# Altium PCB TrilliumV4.PcbDoc (part 2 of 3)
Units mm, origin at the board's own origin, x right, y up, seen from the top; angles counter-clockwise.
Board outline 100 x 100 mm, 4 copper layers (Top Layer, Ground Plane, Power Plane, Bottom Layer), stack 1.667 mm thick; 197 components, 151 nets, 1108 pads, 340 vias.
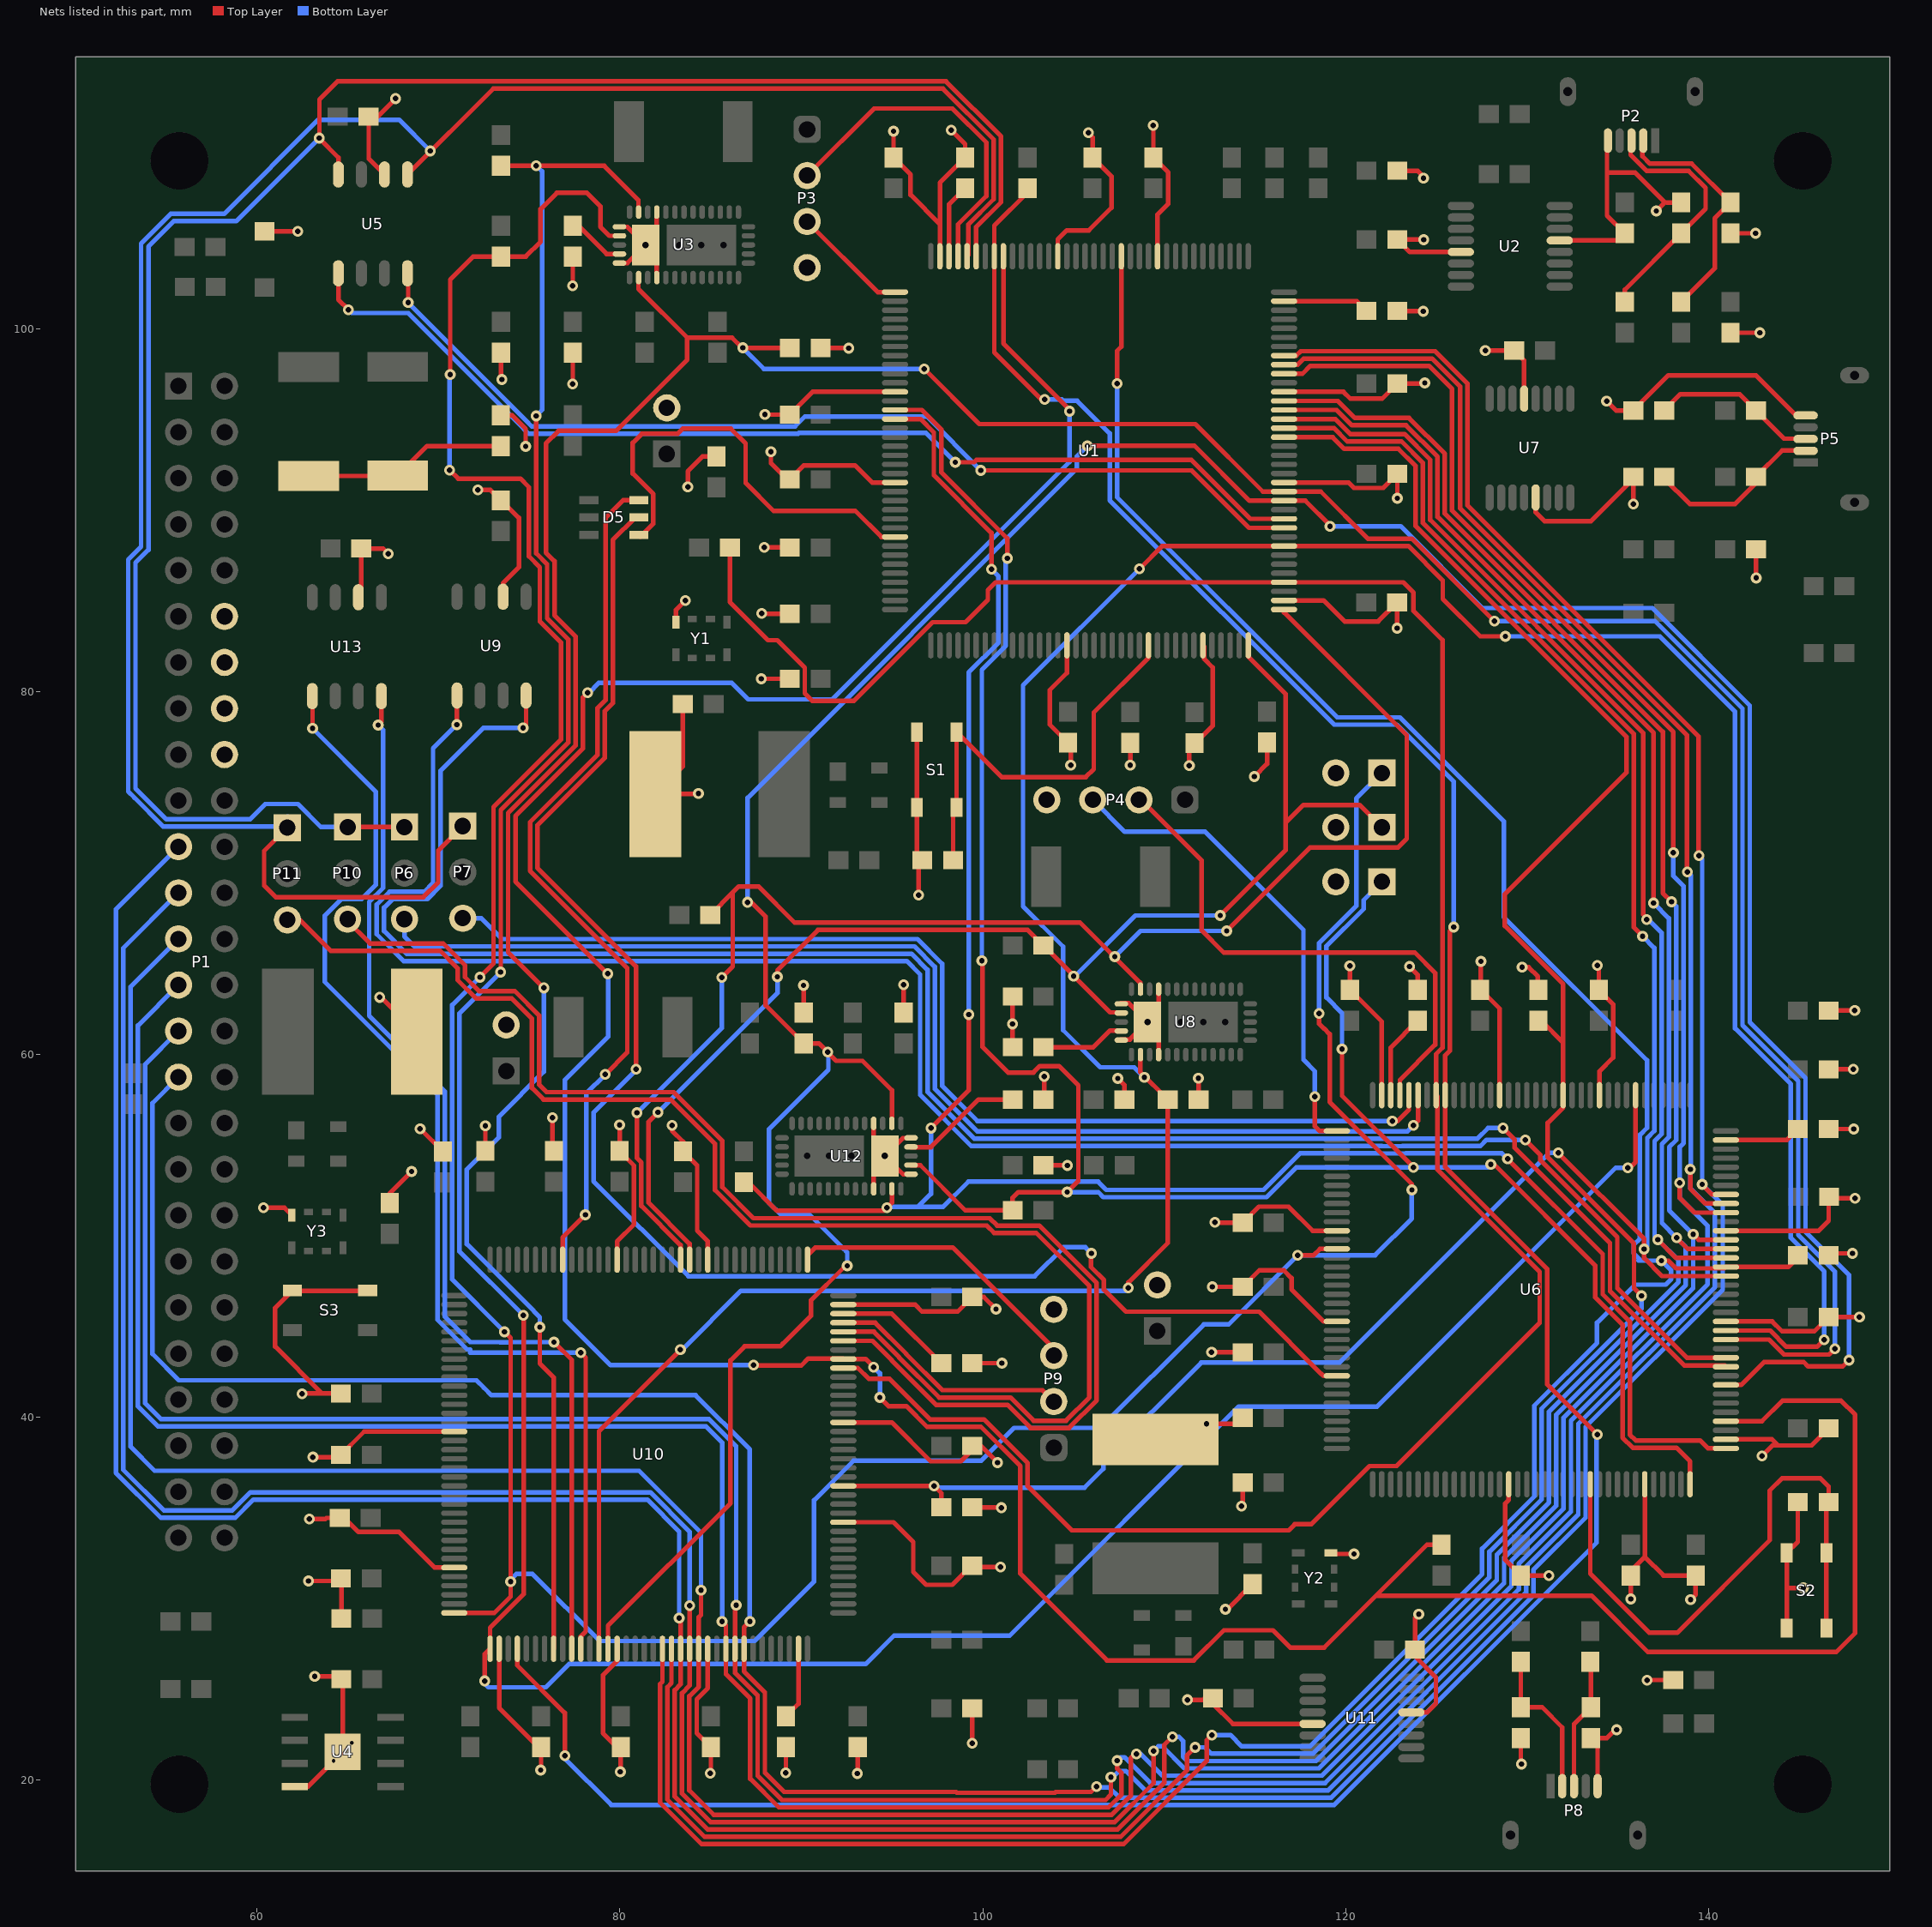
[diagram p4: the nets of this part, all layers, seen from the top]

## Via types
v1: diameter 0.6, hole 0.3, Top Layer to Bottom Layer, tented both sides, 338 vias
v2: diameter 0.5, hole 0.2, Top Layer to Bottom Layer, tented both sides, 2 vias

## Nets (pads, with @x,y where several pads share a name; then routed paths per layer and width w, separated by ;. In a path a pad name is that pad's centre, name@x,y a point inside that pad or via, vN(x,y) a via of type N, cw(c..) or ccw(c..) an arc to the next point about the centre after c; other vN are vias at no path point) (continued)
EXTRA_GPIO_1: P1.11 U1.58 U6.58 U10.58 | length 223.7
  Top Layer w0.254: v1(83.26,28.93) 83.34,28.85 U10.58@83.34,27.245 83.34,25.284 83.018,24.962 83.018,19.099 84.831,17.286 107.441,17.286 110.01,19.855 110.01,21.94 v1(110.46,22.39) ; U1.58@116.615,95.04 119.437,95.04 120.267,94.21 123.254,94.21 124.668,92.796 124.668,89.485 136.413,77.74 136.413,67.736 136.6,67.549 v1(136.6,67.44) ; v1(137.22,49.8) 138.23,48.79 U6.58@140.975,48.79
  Bottom Layer w0.254: P1.11@55.66,71.46 52.209,68.009 52.209,36.941 54.681,34.469 58.793,34.469 59.79,35.466 81.504,35.466 83.26,33.71 v1(83.26,28.93) ; v1(110.46,22.39) 110.82,22.39 111.05,22.16 111.05,21.291 111.285,21.056 118.374,21.056 128.342,31.024 128.342,32.429 131.22,35.307 131.22,40.317 138.362,47.459 138.362,48.658 v1(137.22,49.8) 137.16,49.8 137.045,49.915 137.045,55.239 137.43,55.624 137.43,66.719 136.709,67.44 v1(136.6,67.44)
EXTRA_GPIO_2: P1.12 U1.59 U6.59 U10.59 | length 219.2
  Top Layer w0.254: U10.59@83.84,27.245 83.84,25.213 83.422,24.795 83.422,19.267 84.999,17.69 107.274,17.69 109.42,19.836 v1(109.42,21.61) ; U10.59@83.84,27.439 v1(83.84,29.63) ; U1.59@116.615,95.54 119.509,95.54 120.353,94.696 123.34,94.696 125.072,92.964 125.072,89.653 136.99,77.735 v1(136.99,68.36) ; v1(138.26,49.9) 138.87,49.29 U6.59@140.975,49.29
  Bottom Layer w0.254: P1.12@55.66,68.92 52.613,65.873 52.613,37.108 54.848,34.873 58.625,34.873 59.622,35.87 81.671,35.87 83.84,33.702 v1(83.84,29.63) ; v1(109.42,21.61) 109.68,21.87 109.9,21.87 111.118,20.652 118.541,20.652 128.746,30.857 128.746,32.262 131.624,35.139 131.624,40.149 138.766,47.291 138.766,49.394 v1(138.26,49.9) 137.449,50.711 137.449,55.071 137.834,55.457 137.834,67.516 v1(136.99,68.36)
EXTRA_GPIO_3: P1.13 U1.60 U6.60 U10.60 | length 215
  Top Layer w0.254: v1(84.47,30.48) 84.47,29.11 84.34,28.98 U10.60@84.34,27.245 84.34,25.141 83.826,24.627 83.826,19.434 85.166,18.094 107.107,18.094 108.16,19.147 108.16,21.21 108.48,21.53 v1(108.48,21.44) ; U1.60@116.615,96.04 119.58,96.04 120.52,95.1 123.507,95.1 125.476,93.131 125.476,89.82 137.503,77.793 137.503,68.907 v1(137.98,68.43) ; v1(139.17,50.09) 139.47,49.79 U6.60@140.975,49.79
  Bottom Layer w0.254: P1.13@55.66,66.38 53.017,63.737 53.017,38.383 54.34,37.06 81.053,37.06 84.47,33.643 v1(84.47,30.48) ; v1(108.48,21.44) 108.72,21.44 109.912,20.248 118.709,20.248 129.15,30.69 129.15,32.094 132.028,34.972 132.028,39.982 139.17,47.124 v1(139.17,50.09) 137.853,51.407 137.853,54.904 138.238,55.289 138.238,68.172 v1(137.98,68.43)
EXTRA_GPIO_4: P1.14 U1.63 U6.63 U10.63 | length 217.2
  Top Layer w0.254: v1(85.63,28.75) 85.84,28.54 U10.63@85.84,27.245 85.84,25.849 87.182,24.507 87.182,20.075 88.759,18.498 106.939,18.498 107.65,19.208 107.647,19.211 107.647,20.409 107.41,20.646 v1(107.41,21.08) ; U1.63@116.615,97.54 117.63,97.54 118.062,97.972 124.61,97.972 125.88,96.702 125.88,89.987 138.08,77.787 v1(138.08,71.13) ; v1(138.43,52.93) 138.43,52.1 139.24,51.29 U6.63@140.975,51.29
  Bottom Layer w0.254: P1.14@55.66,63.84 53.421,61.601 53.421,40.609 54.53,39.5 84.747,39.5 85.63,38.617 v1(85.63,28.75) ; v1(107.41,21.08) 107.59,21.26 107.82,21.26 109.236,19.844 118.876,19.844 129.554,30.522 129.554,31.927 132.432,34.805 132.432,39.815 139.965,47.348 139.965,50.565 138.43,52.1 v1(138.43,52.93) 138.43,54.91 138.642,55.122 138.642,69.288 138.08,69.85 v1(138.08,71.13)
EXTRA_GPIO_5: P1.15 U1.64 U6.64 U10.64 | length 213.1
  Top Layer w0.254: v1(86.41,29.65) 86.34,29.58 U10.64@86.34,27.245 86.34,25.92 87.586,24.674 87.586,20.243 88.927,18.902 106.772,18.902 107.07,19.2 v1(107.07,20.17) ; U1.64@116.615,98.04 117.365,98.04 117.701,98.376 124.777,98.376 126.326,96.827 126.326,90.113 138.82,77.619 v1@138.82,70.11 ; v1(139.01,53.68) 139.01,52.62 139.84,51.79 U6.64@140.975,51.79
  Bottom Layer w0.254: P1.15@55.66,61.3 53.825,59.465 53.825,40.776 54.697,39.904 84.915,39.904 86.41,38.409 v1(86.41,29.65) ; v1(107.07,20.17) 107.19,20.17 107.523,20.503 107.889,20.503 108.952,19.44 119.043,19.44 129.958,30.355 129.958,31.76 132.836,34.637 132.836,39.647 140.369,47.181 140.369,51.271 139.01,52.63 v1(139.01,53.68) 139.046,53.716 139.046,69.884 v1(138.856,70.074)
EXTRA_GPIO_6: P1.16 U1.65 U6.65 U10.65 | length 206.7
  Top Layer w0.254: v1(87.16,28.75) 86.84,28.43 U10.65@86.84,27.245 86.84,25.991 87.99,24.841 87.99,20.41 89.05,19.35 98.529,19.35 98.573,19.306 103.977,19.306 104.021,19.35 105.97,19.35 v1(106.27,19.65) ; U1.65@116.615,98.54 117.294,98.54 117.534,98.78 124.944,98.78 126.73,96.994 126.73,90.28 139.46,77.55 v1@139.46,71 ; v1(139.67,52.85) 139.67,52.83 140.21,52.29 U6.65@140.975,52.29
  Bottom Layer w0.254: P1.16@55.66,58.76 54.229,57.329 54.229,43.499 55.682,42.046 72.089,42.046 72.503,41.632 ; 72.503,41.631 72.912,41.222 84.168,41.222 87.16,38.23 v1(87.16,28.75) ; v1(106.27,19.65) 106.327,19.593 106.977,19.593 107.534,19.036 119.211,19.036 130.362,30.188 130.362,31.592 133.24,34.47 133.24,39.48 140.8,47.04 140.8,51.72 v1(139.67,52.85) 139.67,70.79 v1(139.496,70.964)
GND: C1.2 C2.1 C3.1 C4.1 C5.1 C6.1 C7.1 C8.1 C9.1 C10.2 C11.1 C12.1 C13.1 C14.1 C15.1 C16.1 C17.1 C18.1 C19.1 C20.1 C21.2 C22.2 C23.1 C24.1 C25.1 C26.1 C27.2 C28.1 C29.1 C30.1 C31.1 C32.2 C33.1 C34.1 C35.2 C36.1 C37.1 C38.1 C39.1 C40.1 C41.1 C42.1 C43.1 C44.1 C45.1 C46.2 C47.1 C48.1 C49.1 C50.1 C51.2 C52.1 C53.1 C54.1 C55.1 C56.1 C57.1 C58.1 C59.2 C60.1 C61.1 C62.1 C63.1 C64.1 C65.1 C66.1 C67.1 C68.1 C69.1 C70.2 C71.1 C72.1 C73.1 C74.1 D4.2 P1.44 P1.45 P1.46 P1.47 P2.5 P3.4 P4.4 P5.5 P8.5 P9.4 P12.2 P13.2 P14.2 P15.2 P16.2 P17.2 R1.1 R2.1 R9.1 R10.1 R13.1 R17.1 R19.2 R20.2 R22.1 R24.1 R37.1 R39.1 R40.2 R41.2 R43.1 R45.1 R52.1 R55.1 R57.1 R58.2 R59.1 R60.2 S1.2 S2.2 S3.2 SC1.2 SC2.2 SC3.2 U1.16 U1.31 U1.38 U1.51 U1.61 U1.83 U1.94 U1.107 U1.120 U1.130 U2.5 U2.13 U3.4 U3.28 U3.32 U3.36 U4.4 U5.2 U6.16 U6.31 U6.38 U6.51 U6.61 U6.83 U6.94 U6.107 U6.120 U6.130 U7.5 U7.13 U8.4 U8.28 U8.32 U8.36 U9.2 U10.16 U10.31 U10.38 U10.51 U10.61 U10.83 U10.94 U10.107 U10.120 U10.130 U11.5 U11.13 U12.4 U12.28 U12.32 U12.36 U13.2 Y1.4 Y2.4 Y3.4 | length 503.7
  Top Layer w0.254: v1(60.34,51.56) 61.5,51.56 Y3.4@61.91,51.15 ; D4.2@60.4,105.39 v1(62.24,105.39) v1@62.25,105.4 ; U4.4@62.065,19.655 62.805,19.655 U4.4@64.71,21.56 64.71,25.5 C8.1@64.64,25.57 64.49,25.72 v1(63.17,25.72) ; v1(62.47,41.3) 62.49,41.32 63.58,41.32 ; v1(62.83,30.98) 64.46,30.98 C51.2@64.61,31.13 64.64,31.1 R1.1@64.64,28.91 ; v1(62.88,34.4) 63.76,34.4 63.82,34.46 64.808,34.46 65.585,33.683 67.817,33.683 69.78,31.72 U10.31@70.865,31.72 ; 63.42,37.81 64.49,37.81 65.9,39.22 U10.16@70.865,39.22 ; C59.2@64.61,41.32 63.58,41.32 ; U13.2@65.575,85.215 65.74,85.38 C70.2@65.74,87.9 66.94,87.9 v1(67.23,87.61) ; S3.2@66.07,46.97 61.92,46.97 60.99,46.04 60.99,43.91 63.58,41.32 ; v1(66.75,63.16) 66.84,63.16 SC3.2@68.9,61.1 ; U5.2@67.015,108.525 66.149,109.391 66.149,111.701 C21.2@66.13,111.72 66.64,111.72 v1(67.63,112.71) ; C57.1@67.31,51.82 67.31,52.36 v1(68.51,53.56) ; v1(68.98,55.91) C71.1@70.23,54.66 ; v1(72.16,91.13) 72.86,91.13 C46.2@73.43,90.56 73.46,90.56 74.43,89.59 74.43,86.87 73.555,85.995 U9.2@73.555,85.245 ; C72.1@72.32,54.69 72.58,54.95 v1(72.58,56.082) ; v1@72.468,56.082 v1(72.58,56.082) ; v1@72.482,56.18 v1(72.58,56.082) ; U10.38@73.34,27.245 73.34,23.99 75.51,21.82 C67.1@75.65,21.82 75.65,20.58 v1(75.63,20.56) ; C22.2@73.44,95.26 C22.2@73.43,95.25 74.05,95.25 74.8,94.5 v1(74.8,93.53) ; v1@73.44,97.22 R17.1@73.44,98.7 ; v1(76.28,56.53) 76.28,54.77 R57.1@76.36,54.69 ; v1@77.38,96.98 77.4,97 R22.1@77.4,98.7 ; v1(77.39,102.38) 77.4,102.39 C9.1@77.4,104 ; U10.51@79.84,27.245 79.84,26.566 79.062,25.788 79.062,22.588 C66.1@79.935,21.715 ; U10.130@79.84,48.695 79.84,49.7 80.77,50.63 80.77,53.89 C73.1@79.97,54.69 79.98,54.7 v1(79.98,56.12) ; U3.36@79.96,103.64 80.412,103.64 U3.36@81.412,104.64 ; U3.32@79.96,105.64 80.412,105.64 U3.36@81.412,104.64 ; v1(80.02,20.46) 80.04,20.48 C66.1@80.04,21.82 ; U3.28@82.02,106.45 82.02,105.248 U3.36@81.412,104.64 ; U3.4@82.03,102.84 82.03,104.022 U3.36@81.412,104.64 ; v1(82.87,56.1) 82.87,55.81 83.48,55.2 C74.1@83.48,54.67 84.257,53.893 84.257,50.294 84.84,49.711 U10.120@84.84,48.695 ; Y1.4@83.08,83.84 83.08,84.51 v1(83.6,85.03) ; C7.1@83.46,79.32 83.46,75.88 SC1.2@81.95,74.37 84.35,74.37 v1@84.42,74.44 ; v1(83.74,91.3) 83.74,92.16 84.56,92.98 R37.1@85.32,92.98 ; U10.61@84.84,27.245 84.84,25.07 84.23,24.46 84.23,22.6 C65.1@85.01,21.82 85.01,20.41 v1(84.98,20.38) ; v1(87.79,80.72) C23.1@89.36,80.72 ; v1(87.82,84.32) 87.84,84.3 C24.1@89.36,84.3 ; v1(87.95,87.96) R20.2@89.36,87.96 ; v1(87.99,95.29) 88,95.28 C26.1@89.36,95.28 90.62,96.54 U1.120@95.165,96.54 ; v1(88.32,93.24) 88.32,92.606 89.08,91.846 89.08,91.71 C25.1@89.36,91.71 90.137,92.487 92.954,92.487 93.901,91.54 U1.130@95.165,91.54 ; v1(89.14,20.4) 89.15,20.41 C52.1@89.15,21.82 ; v1(90.12,63.82) 90.13,63.81 R59.1@90.13,62.32 ; R24.1@91.06,98.96 92.36,98.96 v1@92.37,98.97 ; U10.83@92.315,34.22 95.08,34.22 96.17,33.13 96.17,31.481 96.881,30.77 98.32,30.77 99.42,31.87 99.54,31.75 v1(100.98,31.75) ; U10.94@92.315,39.72 94.988,39.72 97.128,37.58 98.79,37.58 99.64,38.43 99.9,38.43 v1(100.82,37.51) ; U10.107@92.315,46.22 96.27,46.22 96.65,45.84 98.62,45.84 C61.1@99.42,46.64 100.06,46.64 v1(100.73,45.97) ; v1(93.09,20.37) 93.11,20.39 C64.1@93.11,21.82 ; U12.28@93.987,52.6 93.987,53.792 U12.36@94.605,54.41 ; U12.4@93.987,56.21 93.987,55.028 U12.36@94.605,54.41 ; U12.4@93.992,55.871 U12.4@93.992,56.2 ; v1(95.08,110.91) C12.1@95.08,109.46 96.02,108.52 96.02,107.4 97.64,105.78 ; R55.1@95.64,62.32 v1(95.64,63.85) ; U12.32@96.052,53.4 95.615,53.4 U12.36@94.605,54.41 ; U12.36@96.052,55.4 95.595,55.4 U12.36@94.605,54.41 ; S1.2@96.37,77.78 S1.2@96.37,73.63 96.37,71.02 C10.2@96.67,70.72 96.46,70.93 v1(96.46,68.8) ; U1.107@97.64,104.015 97.64,105.78 ; v1(98.26,110.97) 99.03,110.2 C3.1@99.03,109.46 97.64,108.07 97.64,105.78 ; v1(99.42,22.03) R58.2@99.42,23.96 ; R10.1@99.42,35.04 101.01,35.04 v1(101.03,35.02) ; C55.1@99.42,42.99 v1(101.06,42.99) ; C34.1@101.65,60.41 v1(101.65,61.69) R39.1@101.65,63.2 ; R52.1@103.35,53.9 104.66,53.9 v1(104.67,53.89) ; C58.1@103.35,57.52 103.39,57.56 v1(103.39,58.79) v1@103.56,58.79 ; U1.94@104.14,104.015 104.14,104.944 104.636,105.44 105.85,105.44 107.1,106.69 107.1,108.42 C13.1@106.06,109.46 106.06,110.58 v1(105.82,110.82) ; U1.16@104.64,82.565 104.64,81.04 103.7,80.1 103.7,78.2 104.85,77.05 v1(104.85,75.95) ; v1(107.45,58.69) 107.81,58.33 R43.1@107.81,57.52 ; U8.36@107.62,60.83 108.112,60.83 U8.36@109.082,61.8 ; U8.32@107.62,62.83 108.052,62.83 U8.36@109.082,61.8 ; v1(108.13,75.95) 108.14,75.96 R2.1@108.14,77.19 ; v1(109.4,111.23) 109.41,111.22 C14.1@109.41,109.46 110.23,108.64 110.23,106.91 109.64,106.32 U1.83@109.64,104.015 ; SC2.2@109.68,38.85 111.55,38.85 v1(112.34,39.64) 114,39.64 C48.1@114.34,39.98 ; U8.28@109.68,63.311 U8.28@109.68,63.64 ; U8.4@109.7,60 109.7,61.182 U8.36@109.082,61.8 ; U8.28@109.7,63.61 109.7,62.418 U8.36@109.082,61.8 ; v1(111.29,24.43) 112.78,24.43 112.46,24.75 112.25,24.54 112.69,24.54 112.69,24.207 113.794,23.102 U11.5@118.185,23.102 ; v1(111.39,75.93) 111.39,77.2 111.75,77.2 112.68,78.13 112.68,81.346 112.213,81.813 112.213,82.492 U1.31@112.14,82.565 ; v1(111.89,58.7) 111.9,58.69 R45.1@111.9,57.52 ; v1(112.62,43.6) R41.2@114.34,43.6 ; v1(112.66,47.2) C49.1@114.34,47.2 115.25,48.11 116.6,48.11 117.03,47.68 117.03,47.06 118.8,45.29 U6.130@119.525,45.29 ; v1(112.8,50.76) 112.83,50.73 C50.1@114.34,50.73 115.23,51.62 116.86,51.62 118.19,50.29 U6.120@119.525,50.29 ; v1(113.38,29.42) 113.49,29.42 C33.1@114.88,30.81 ; v1(114.26,35.11) 114.23,35.11 114.34,35.22 C47.1@114.34,36.41 ; v1(114.98,75.33) 115.68,76.03 C1.2@115.68,77.21 ; U1.38@116.615,85.04 118.79,85.04 119.95,83.88 121.8,83.88 C18.1@122.85,84.93 v1(122.85,83.51) v1@122.82,83.48 ; U1.51@116.615,91.54 120.17,91.54 120.467,91.243 122.083,91.243 C17.1@122.86,92.02 v1(122.86,90.67) v1@122.84,90.65 ; U1.61@116.615,96.54 119.89,96.54 120.26,96.17 122.03,96.17 C16.1@122.86,97 124.34,97 v1(124.37,97.03) ; Y2.4@119.2,32.54 119.27,32.47 v1(120.47,32.47) v1@120.47,32.59 ; v1@120.28,64.85 v1(120.24,64.89) 120.24,63.58 C37.1@120.25,63.57 122,61.82 U6.107@122,57.765 ; C2.1@122.86,101 124.27,101 v1(124.29,100.98) ; R19.2@122.86,108.73 123.98,108.73 124.3,108.41 v1(124.3,108.32) ; v1(123.53,64.86) 123.98,64.41 C31.1@123.98,63.57 ; U11.13@123.635,23.737 123.642,23.73 124.5,23.73 124.99,24.22 124.99,25.67 123.84,26.82 123.84,28.95 v1(124.04,29.15) ; v1(124.31,104.93) 124.3,104.94 C15.1@122.86,104.94 123.548,104.252 U2.5@126.365,104.252 ; v1(127.47,65.14) 127.46,65.13 127.46,63.57 128.5,62.53 U6.94@128.5,57.765 ; v1(127.71,98.82) C32.2@129.3,98.82 129.852,98.267 U7.13@129.852,96.165 ; U6.16@129,36.315 129,35.45 128.81,35.26 128.81,32.14 C45.1@129.67,31.28 v1(131.21,31.28) v1@131.23,31.26 ; v1@129.66,20.92 129.67,20.93 C54.1@129.67,22.32 ; v1(129.74,64.82) 130.1,64.82 130.61,64.31 R9.1@130.61,63.57 ; U7.5@130.487,90.715 130.487,89.902 130.986,89.404 133.53,89.404 C30.1@135.87,91.744 ; U2.13@131.815,104.887 135.007,104.887 C11.1@135.4,105.28 134.42,106.26 P2.5@134.42,110.85 ; v1(133.89,64.91) 133.97,64.83 C39.1@133.97,63.57 134.76,62.78 134.76,59.834 134,59.074 U6.83@134,57.765 ; P8.5@133.9,19.67 133.9,21.95 C53.1@133.53,22.32 134.41,22.32 v1@134.9,22.81 ; v1(134.4,96.03) 134.92,95.51 C29.1@135.87,95.51 137.81,97.45 142.63,97.45 144.82,95.26 P5.5@145.85,95.26 ; 134.42,108.63 135.96,108.63 137.61,106.98 v1(137.14,106.51) ; v1@135.75,29.97 v1(135.73,29.99) C44.1@135.73,31.28 135.73,31.531 136.507,32.308 ; v1(135.87,90.35) C30.1@135.87,91.744 ; C30.1@135.87,91.86 C30.1@135.87,91.744 ; U6.31@136.5,36.315 136.507,36.308 136.507,32.308 ; v1(136.63,25.51) 136.64,25.52 R60.2@138.07,25.52 ; 137.75,106.98 C4.1@138.51,106.98 ; v1(139.03,29.95) 139.31,30.23 C27.2@139.31,31.28 137.535,31.28 136.507,32.308 ; U6.38@140.975,38.79 143.52,38.79 143.86,38.45 ; U6.51@140.975,45.29 143.53,45.29 144.067,44.753 145.863,44.753 C42.1@146.64,45.53 v1(148.34,45.53) v1@148.35,45.54 ; U6.61@140.975,50.29 146.09,50.29 146.64,50.84 146.64,52.08 v1(148.1,52.08) v1@148.11,52.07 ; C6.1@141.23,99.8 v1(142.85,99.8) ; C5.1@141.23,105.28 v1(142.61,105.28) ; C36.1@142.63,87.86 142.63,86.3 v1(142.65,86.28) ; v1(142.97,37.88) 143.54,38.45 143.86,38.45 ; S2.2@144.33,28.38 144.33,30.6 ; C35.2@144.94,35.33 144.94,33.14 S2.2@144.33,32.53 144.33,30.6 ; v1(145.25,30.6) 144.33,30.6 ; C43.1@146.64,39.39 145.7,38.45 143.86,38.45 ; R13.1@146.64,48.94 146.74,49.04 v1(147.96,49.04) ; C28.1@146.64,55.9 v1(148.02,55.9) ; C40.1@146.64,59.19 v1(148,59.19) v1@148.01,59.18 ; R40.2@146.64,62.43 v1(148.08,62.43) 148.09,62.42 v1@148.1,62.42
  other v1: 129.71,20.89 134.95,22.78 63.07,37.81 84.33,74.39 77.39,96.97 73.49,97.22 92.61,98.95
  other v2: 64.21,21.06 65.21,22.06
MCU1_CAN1_RX: P6.1 P10.1 U1.103 U5.4 | length 109.5
  Top Layer w0.254: U5.4@64.475,108.525 64.475,109.455 63.43,110.5 63.43,112.66 64.428,113.658 97.973,113.658 101.008,110.623 101.008,106.995 99.64,105.627 U1.103@99.64,104.015 ; P10.1@64.98,72.55 P6.1@68.12,72.55
  Bottom Layer w0.254: v1(63.42,110.53) 58.84,105.95 55.4,105.95 54,104.55 54,87.833 53.288,87.121 53.288,74.673 54.988,72.973 59.603,72.973 60.446,73.816 62.246,73.816 63.512,72.55 P10.1@64.98,72.55
MCU1_CAN1_SHDN: U1.47 U5.5 | length 59.3
  Top Layer w0.254: U5.5@64.475,103.075 64.475,101.625 v1(65.03,101.07) ; U1.47@116.615,89.54 114.76,89.54 111.513,92.787 99.651,92.787 99.524,92.66 v1(98.49,92.66) ; v1(98.49,92.66) 98.32,92.66 98.49,92.49 v1(98.49,92.66)
  Bottom Layer w0.254: v1(65.03,101.07) 65.217,100.883 68.326,100.883 74.399,94.81 74.399,94.804 74.974,94.229 89.82,94.229 89.861,94.27 96.88,94.27 v1(98.49,92.66)
MCU1_CAN1_STB: U1.46 U5.8 | length 55.5
  Top Layer w0.254: U5.8@68.285,103.075 68.32,103.04 v1(68.32,101.46) ; v1(99.89,92.21) 111.519,92.21 114.689,89.04 U1.46@116.615,89.04
  Bottom Layer w0.254: v1(68.32,101.46) 74.803,94.977 74.803,94.971 75.141,94.633 89.653,94.633 90.2,95.18 96.92,95.18 v1(99.89,92.21)
MCU1_CAN1_TX: P7.1 P11.1 U1.104 U5.1 | length 120.3
  Top Layer w0.254: P11.1@61.66,72.51 60.38,71.23 60.38,69.32 61.02,68.68 69.16,68.68 69.98,69.5 69.98,71.25 P7.1@71.33,72.6 ; U5.1@68.285,108.525 73.014,113.254 97.806,113.254 100.604,110.456 100.604,107.163 99.2,105.759 99.2,104.075 U1.104@99.14,104.015
  Bottom Layer w0.254: P11.1@61.66,73.13 P11.1@61.66,72.51 61.601,72.569 54.821,72.569 54.81,72.58 53.23,74.16 52.884,74.506 52.884,87.288 53.596,88 53.596,104.717 55.233,106.354 58.174,106.354 63.36,111.54 67.82,111.54 v1(69.54,109.82) v1@69.57,109.82
MCU1_CAN2_TX: D5.1 U1.136 | length 24.6
  Top Layer w0.254: D5.1@81.035,88.66 81.131,88.564 81.837,89.27 81.837,90.9 80.7,92.037 80.7,93.73 81.199,94.229 83.173,94.229 83.45,94.506 86.111,94.506 86.925,93.692 86.925,91.514 88.463,89.976 92.979,89.976 94.415,88.54 U1.136@95.165,88.54
MCU1_IMON: R24.2 U1.50 U3.2 U6.49 U10.44 | length 201.7
  Top Layer w0.254: v1(75.58,44.98) 75.58,42.97 76.34,42.21 U10.44@76.34,27.245 ; v1(75.8,63.68) 73.832,65.648 73.832,73.315 77.55,77.033 77.55,83.057 76.388,84.219 76.388,87.205 75.921,87.672 75.921,93.701 76.61,94.39 79.78,94.39 83.703,98.313 83.703,99.527 ; U3.2@81.02,102.84 81.02,102.21 83.703,99.527 ; R24.2@89.36,98.96 86.78,98.96 v1(86.77,98.97) 86.732,98.97 86.175,99.527 83.703,99.527 ; v1@96.75,97.8 v1(96.78,97.8) 99.817,94.763 111.727,94.763 115.45,91.04 U1.50@116.615,91.04 118.64,91.04 121.236,88.444 123.666,88.444 v1(128.21,83.9) ; U6.49@140.975,44.29 143.349,44.29 144.178,43.461 146.661,43.461 v1(146.99,43.79)
  Bottom Layer w0.254: v1(75.58,44.98) 75.58,45.52 75.247,45.853 75.247,45.869 71.558,49.558 71.558,53.678 73.326,55.446 73.326,56.582 75.8,59.056 v1(75.8,63.68) ; v1(86.77,98.97) 87.94,97.8 v1(96.78,97.8) ; v1(128.21,83.9) 137.065,83.9 141.889,79.077 141.889,61.617 144.962,58.543 144.962,50.062 146.99,48.034 v1(146.99,43.79)
MCU1_PWR_EN: P13.1 R15.1 U3.33 U6.122 U10.36 | length 192.8
  Top Layer w0.254: v1(70.61,92.22) 71.08,91.75 74.51,91.75 74.976,91.284 74.976,87.474 75.58,86.87 75.58,83.884 76.742,82.722 76.742,77.368 73.024,73.65 73.024,65.014 v1(72.28,64.27) ; v1(70.64,97.49) 70.64,102.73 71.91,104 R15.1@73.44,104 74.81,104 75.62,104.81 75.62,106.61 76.52,107.51 78.18,107.51 78.92,106.77 78.92,105.64 79.42,105.14 U3.33@79.96,105.14 ; U10.36@70.865,29.22 73.07,29.22 73.97,30.12 v1(73.97,30.94) 73.97,44.38 v1(73.63,44.72) ; v1(117.37,48.94) 118.246,48.94 118.596,49.29 U6.122@119.525,49.29 ; v1(118.55,62.27) 118.55,61.7 118.81,61.44 118.81,61.45 119.13,61.13 119.13,57.39 123.66,52.86 v1(123.66,52.54)
  Bottom Layer w0.254: v1(70.61,92.22) 70.61,97.46 v1(70.64,97.49) ; v1(72.28,64.27) 70.75,62.74 70.75,47.6 v1(73.63,44.72) ; v1(73.97,30.94) 73.97,31.05 74.29,31.37 75.18,31.37 78.88,27.67 87.417,27.67 90.702,30.955 90.702,35.435 92.872,37.605 99.915,37.605 101.73,39.42 106.481,39.42 112.189,45.128 113.558,45.128 v1(117.37,48.94) 121.64,48.94 123.66,50.96 v1(123.66,52.54) v1@123.66,52.7 ; v1(118.55,62.27) 118.55,66.15 120.6,68.2 120.6,74.12 P13.1@122.01,75.53
MCU1_PWR_FLT: R12.1 U3.30 U6.79 U10.37 | length 177.9
  Top Layer w0.254: v1(72.54,25.47) 72.54,26.945 U10.37@72.84,27.245 72.84,28.4 74.69,30.25 74.69,45.61 v1(74.67,45.63) ; v1@73.428,64.383 73.428,73.483 77.146,77.201 77.146,82.889 75.984,84.051 75.984,87.037 75.38,87.641 v1(75.38,95.21) ; R12.1@73.44,109 v1(75.38,109) 79.13,109 81.02,107.11 U3.30@81.02,106.45 ; v1(135.57,53.76) 135.68,53.87 135.79,53.87 136,54.08 U6.79@136,57.765
  Bottom Layer w0.254: v1(72.54,25.47) 72.54,25.33 72.75,25.12 75.91,25.12 77.19,26.4 93.544,26.4 95.111,27.967 101.483,27.967 114.115,40.599 121.74,40.599 134.901,53.76 v1(135.57,53.76) ; v1(73.42,64.55) 71.154,62.284 71.154,49.146 v1(74.67,45.63) ; v1(75.38,95.21) 75.71,95.54 75.71,108.69 v1@75.39,109.01
MCU1_RESET_SYNC: R9.2 U1.56 U6.87 U10.57 | length 147.3
  Top Layer w0.254: U10.57@82.84,27.245 82.84,25.355 82.614,25.129 82.614,18.932 84.664,16.882 107.609,16.882 111.26,20.533 111.26,21.36 v1(111.71,21.81) ; U1.56@116.615,94.04 119.295,94.04 119.933,93.402 122.92,93.402 123.86,92.462 123.86,89.151 135.498,77.513 135.498,75.558 128.79,68.85 128.79,67.1 132,63.89 132,60.66 ; R9.2@130.61,61.87 R9.2@130.64,61.87 130.79,61.87 132,60.66 ; v1(136.33,46.7) 135.91,47.12 135.91,49.024 135.893,49.041 135.893,49.519 135.91,49.536 135.91,49.584 131.153,54.341 131.153,56.239 132,57.086 U6.87@132,57.765 132,60.66
  Bottom Layer w0.254: v1(111.71,21.81) 112.25,21.81 112.6,21.46 118.207,21.46 127.938,31.192 127.938,32.596 130.816,35.474 130.816,40.484 136.33,45.998 v1(136.33,46.7)
MCU1_SPI1_NSS: R30.1 U1.40 U6.101 U10.100 | length 138.1
  Top Layer w0.254: R30.1@86.06,87.96 86.06,84.95 88.16,82.85 88.672,82.85 90.187,81.335 90.187,79.923 90.6,79.51 92.906,79.51 97.236,83.84 99.047,83.84 100.281,85.074 100.281,85.611 100.71,86.04 U1.40@116.615,86.04 123.182,86.04 123.75,85.472 123.75,84.459 125.354,82.855 125.354,60.383 125,60.029 U6.101@125,57.765 125.073,57.692 125.073,53.658 130.71,48.021 130.71,45.21 122.817,37.317 121.323,37.317 118.114,34.108 117.207,34.108 116.869,33.77 104.91,33.77 102.474,36.206 102.474,37.477 100.067,39.884 97.099,39.884 94.853,42.13 93.71,42.13 93.12,42.72 U10.100@92.315,42.72
MCU1_SWCLK: P3.3 U1.109 | length 6.5
  Top Layer w0.254: P3.3@90.32,105.93 94.21,102.04 U1.109@95.165,102.04
MCU1_SWDIO: P3.2 U1.105 | length 19.1
  Top Layer w0.254: P3.2@90.32,108.47 94.01,112.16 98.329,112.16 100.2,110.289 100.2,107.33 98.64,105.77 U1.105@98.64,104.015
MCU2_CAN1_RX: P6.3 U6.103 | length 66.9
  Top Layer w0.254: v1(123.75,56.1) 124,56.35 U6.103@124,57.765
  Bottom Layer w0.254: P6.3@68.12,67.47 68.12,66.51 68.662,65.968 96.233,65.968 97.358,64.843 97.358,58.115 99.7,55.773 122.331,55.773 122.341,55.763 122.819,55.763 122.829,55.773 123.423,55.773 v1(123.75,56.1)
MCU2_CAN1_SHDN: U6.47 U9.5 | length 106.2
  Top Layer w0.254: v1(71,78.19) 71,79.78 U9.5@71.015,79.795 ; v1(129.91,55.3) 130.749,54.461 130.749,54.174 134.99,49.933 134.99,47.12 138.82,43.29 U6.47@140.975,43.29
  Bottom Layer w0.254: v1(71,78.19) 69.696,76.886 69.696,69.467 69.212,68.983 67.695,68.983 67.688,68.99 67.64,68.99 67.633,68.983 67.302,68.983 66.586,68.267 66.586,66.644 68.07,65.16 95.81,65.16 96.55,64.42 96.55,57.78 99.365,54.965 121.996,54.965 122.006,54.955 123.154,54.955 123.164,54.965 127.446,54.965 127.781,55.3 v1(129.91,55.3) v1@129.979,55.3
MCU2_CAN1_STB: U6.46 U9.8 | length 108.9
  Top Layer w0.254: v1(74.66,78.01) 74.825,78.175 U9.8@74.825,79.795 ; v1(128.69,55.95) 129.333,55.307 129.333,54.867 134.586,49.614 134.586,46.953 138.676,42.863 140.902,42.863 U6.46@140.975,42.79
  Bottom Layer w0.254: v1@74.584,77.934 v1(74.66,78.01) 72.464,78.01 70.1,75.646 70.1,69.3 69.379,68.579 67.469,68.579 66.99,68.1 66.99,66.811 68.237,65.564 96.066,65.564 96.954,64.676 96.954,57.947 99.532,55.369 122.164,55.369 122.174,55.359 122.986,55.359 122.996,55.369 127.279,55.369 127.86,55.95 v1(128.69,55.95)
MCU2_CAN1_TX: P7.3 U6.104 | length 61.8
  Top Layer w0.254: v1(122.58,56.34) 122.88,56.34 123.5,56.96 U6.104@123.5,57.765
  Bottom Layer w0.254: P7.3@71.33,67.52 72.35,67.52 73.498,66.372 96.401,66.372 97.762,65.011 97.762,58.282 99.704,56.34 v1(122.58,56.34)
MCU2_CAN2_TX: D5.2 U6.136 | length 89.8
  Top Layer w0.254: v1(80.88,59.19) 80.88,64.863 75.448,70.295 75.448,72.646 79.166,76.364 79.166,78.937 79.605,79.376 79.605,88.372 80.843,89.61 D5.2@81.035,89.61 ; v1@105.97,49.04 105.97,48.293 106.686,47.577 106.686,47.044 107.904,45.826 115.239,45.826 118.679,42.386 118.696,42.386 118.792,42.29 U6.136@119.525,42.29
  Bottom Layer w0.254: v1(80.88,59.19) 80.93,59.19 78.544,56.804 78.544,53.016 83.775,47.785 92.289,47.785 92.291,47.783 92.769,47.783 92.771,47.785 102.865,47.785 104.46,49.38 105.66,49.38 v1(106,49.04)
MCU2_IMON: R45.2 U1.44 U6.50 U8.2 U10.49 | length 173.9
  Top Layer w0.254: U10.49@78.84,27.245 78.84,39.24 v1(83.33,43.73) ; v1(108.03,47.14) 108.03,47.44 110.2,49.61 R45.2@110.2,57.52 108.68,59.04 U8.2@108.68,60 ; v1(108.64,86.78) 109.9,88.04 U1.44@116.615,88.04 123.467,88.04 125.366,86.141 125.366,85.128 127.434,83.06 v1(128.82,83.06) ; U6.50@140.975,44.79 143.42,44.79 144.31,43.9 146,43.9 146.38,44.28 v1(146.4,44.28)
  Bottom Layer w0.254: v1(83.33,43.73) 83.42,43.73 86.667,46.977 91.954,46.977 91.956,46.975 93.104,46.975 93.106,46.977 107.867,46.977 v1(108.03,47.14) ; v1(108.64,86.78) 102.22,80.36 102.22,68.17 104.433,65.957 104.433,61.347 106.48,59.3 108.35,59.3 v1(108.91,58.74) v1@108.99,58.74 ; v1(128.82,83.06) 137.334,83.06 141.485,78.909 141.485,61.449 144.558,58.376 144.558,49.895 146.4,48.053 v1(146.4,44.28)
MCU2_PWR_EN: P15.1 R38.1 U1.36 U8.33 U10.122 | length 74.5
  Top Layer w0.254: v1(82.1,56.82) 81.578,56.298 81.578,51.831 83.84,49.569 U10.122@83.84,48.695 ; v1(88.68,64.29) 88.68,64.64 90.916,66.876 102.484,66.876 R38.1@103.35,66.01 107.03,62.33 U8.33@107.62,62.33 ; v1(113.1,67.67) 116.7,71.27 116.7,72.77 ; U1.36@114.64,82.565 114.64,81.95 116.7,79.89 116.7,72.77 ; P15.1@122.01,72.53 120.78,73.76 117.69,73.76 116.7,72.77
  Bottom Layer w0.254: v1(82.1,56.82) 88.68,63.4 v1(88.68,64.29) ; v1(105.01,64.32) 105.07,64.32 108.42,67.67 v1(113.1,67.67)
MCU2_PWR_FLT: R36.1 U1.37 U8.30 U10.123 | length 84.5
  Top Layer w0.254: v1(80.94,56.8) 80.94,54.291 81.174,54.057 81.174,51.663 83.34,49.497 U10.123@83.34,48.695 ; R36.1@84.98,67.7 86.22,68.94 ; v1(85.62,64.26) 86.22,64.86 86.22,68.94 ; U8.30@108.68,63.64 108.68,63.969 105.369,67.28 89.63,67.28 87.64,69.27 86.55,69.27 86.22,68.94 ; v1(113.45,66.82) 118.04,71.41 122.89,71.41 123.382,71.902 123.382,77.612 116.615,84.379 U1.37@116.615,84.54
  Bottom Layer w0.254: v1(80.94,56.8) 83.09,58.95 83.1,58.95 85.62,61.47 v1(85.62,64.26) ; v1(107.28,65.4) 108.7,66.82 v1(113.45,66.82)
MCU2_RESET_SYNC: R10.2 U1.57 U6.56 U10.87 | length 118.7
  Top Layer w0.254: U10.87@92.315,36.22 v1(97.32,36.22) 97.72,35.82 R10.2@97.72,35.04 ; U1.57@116.615,94.54 119.366,94.54 120.1,93.806 123.087,93.806 124.264,92.629 124.264,89.318 135.902,77.68 135.902,67.008 v1(136.38,66.53) ; v1(131.73,54.58) 136.47,49.84 v1(136.47,49.28) 136.47,48.774 137.454,47.79 U6.56@140.975,47.79
  Bottom Layer w0.254: v1(97.32,36.22) 97.415,36.125 105.607,36.125 106.646,37.164 106.646,37.619 112.05,43.023 119.673,43.023 131.23,54.58 v1(131.73,54.58) ; v1(136.38,66.53) 137.026,65.884 137.026,55.791 136.641,55.406 136.641,49.451 v1(136.47,49.28)
MCU2_SPI1_NSS: R28.1 U1.100 U6.40 U10.101 | length 196.9
  Top Layer w0.254: v1(78.22,79.95) 77.954,79.684 77.954,76.866 74.236,73.148 74.236,69.544 v1(79.32,64.46) ; v1(87.37,42.88) 87.603,42.88 87.623,42.86 89.996,42.86 90.379,43.243 92.292,43.243 U10.101@92.315,43.22 93.54,43.22 v1(93.99,42.77) ; v1(94.33,41.1) 94.806,40.624 95.788,40.624 96.932,39.48 99.9,39.48 102.07,37.31 102.07,31.383 106.85,26.603 109.335,26.603 111.635,26.603 113.298,28.266 115.996,28.266 116.952,27.31 118.83,27.31 121.69,30.17 ; U1.100@101.14,104.015 101.14,99.206 104.78,95.566 v1(104.78,95.47) ; R28.1@125.3,32.98 124.5,32.98 121.69,30.17 ; U6.40@140.975,39.79 142.966,39.79 144.096,40.92 147.33,40.92 148.1,40.15 148.1,28.11 147.06,27.07 136.67,27.07 133.57,30.17 121.69,30.17
  Bottom Layer w0.254: v1(78.22,79.95) 78.29,79.95 78.829,80.489 86.17,80.489 87.073,79.586 91.696,79.586 104.78,92.67 v1(104.78,95.47) ; v1(79.32,64.46) 79.347,64.433 79.347,60.987 76.96,58.6 76.96,45.41 79.49,42.88 v1(87.37,42.88) ; v1(93.99,42.77) 94.33,42.43 v1(94.33,41.1)
MCU2_SWCLK: P4.3 U6.109 | length 27
  Top Layer w0.254: v1(118.31,57.68) 118.31,56.06 118.58,55.79 U6.109@119.525,55.79
  Bottom Layer w0.254: P4.3@106.07,74.05 107.83,72.29 112.27,72.29 117.68,66.88 117.68,59.72 118.31,59.09 v1(118.31,57.68)
MCU2_SWDIO: P4.2 U6.105 | length 30.1
  Top Layer w0.254: P4.2@108.61,74.05 108.723,74.05 112.07,70.703 112.07,66.85 113.293,65.627 123.823,65.627 124.95,64.5 124.95,60.55 123,58.6 U6.105@123,57.765
MCU3_CAN1_RX: P10.3 U10.103 | length 76.9
  Top Layer w0.254: P10.3@64.87,67.47 66.21,66.13 70.25,66.13 71.454,64.926 71.454,64.28 72.23,63.504 74.196,63.504 75.553,62.147 75.553,58.331 75.955,57.929 82.961,57.929 85.644,55.246 85.644,52.696 87.357,50.983 100.387,50.983 100.8,50.57 103.121,50.57 106.282,47.409 106.282,40.941 104.757,39.416 102.643,39.416 101.367,40.692 97.434,40.692 94.971,43.155 94.971,43.176 93.927,44.22 U10.103@92.315,44.22
MCU3_CAN1_SHDN: U10.47 U13.5 | length 65.5
  Top Layer w0.254: U13.5@63.035,79.765 63.05,79.75 v1(63.05,77.99) ; v1(77.833,43.573) 78.11,43.296 78.11,28.194 77.84,27.924 U10.47@77.84,27.245
  Bottom Layer w0.254: v1(63.05,77.99) 66.536,74.504 66.536,69.36 65.755,68.579 64.637,68.579 63.73,67.672 63.73,66.99 63.724,66.984 63.724,64.016 69.942,57.798 69.942,45.378 71.574,43.746 71.747,43.746 71.747,43.573 v1(77.833,43.573)
MCU3_CAN1_STB: U10.46 U13.8 | length 60.4
  Top Layer w0.254: v1(66.67,78.17) 66.845,78.345 U13.8@66.845,79.765 ; v1(76.36,44.15) 77.34,43.17 U10.46@77.34,27.245
  Bottom Layer w0.254: v1(66.67,78.17) 66.94,77.9 66.94,69.193 66.173,68.426 66.173,62.138 70.346,57.965 70.346,45.545 71.741,44.15 73.384,44.15 73.391,44.143 73.869,44.143 73.876,44.15 v1(76.36,44.15)
MCU3_CAN1_TX: P11.3 U10.104 | length 79
  Top Layer w0.254: P11.3@61.66,67.43 62.34,67.43 64.044,65.726 70.083,65.726 71.05,64.759 71.05,64.113 72.063,63.1 74.029,63.1 75.149,61.98 75.149,58.164 75.788,57.525 82.794,57.525 85.24,55.079 85.24,52.529 87.19,50.579 100.22,50.579 100.633,50.166 102.954,50.166 105.878,47.242 105.878,41.108 104.59,39.82 102.81,39.82 101.534,41.096 97.601,41.096 95.375,43.322 95.375,43.344 93.999,44.72 U10.104@92.315,44.72
MCU3_CAN2_TX: D5.3 U10.136 | length 48.5
  Top Layer w0.254: U10.136@76.84,48.695 76.84,49.92 v1(78.09,51.17) ; v1(79.19,58.91) 80.4,60.12 80.4,64.771 75.044,70.127 75.044,72.813 78.762,76.531 78.762,79.105 79.201,79.544 79.201,89.591 80.17,90.56 D5.3@81.035,90.56
  Bottom Layer w0.254: v1(78.09,51.17) 78.14,51.22 78.14,57.86 v1(79.19,58.91)
MCU3_IMON: R59.2 U1.49 U6.44 U10.50 U12.2 | length 181.9
  Top Layer w0.254: U10.50@79.34,27.245 79.34,28.521 86.09,35.271 86.09,43.137 86.876,43.923 88.839,43.923 88.977,44.061 88.994,44.061 90.53,45.597 90.53,46.45 92.33,48.25 92.44,48.36 v1(92.53,48.36) ; v1(87.04,68.4) 87.24,68.4 88.03,67.61 88.03,62.72 R59.2@90.13,60.62 90.96,60.62 91.92,59.66 93.37,59.66 94.992,58.038 U12.2@94.992,56.2 ; v1@105.77,93.57 111.68,93.57 114.71,90.54 U1.49@116.615,90.54 117.79,90.54 v1@119.17,89.16 ; U6.44@140.975,41.79 141.821,41.79 143.088,43.057 145.259,43.057 145.506,42.81 147.41,42.81 v1(147.76,43.16)
  Bottom Layer w0.254: v1(87.04,68.4) 87.04,74.159 105.184,92.303 105.184,92.974 v1(105.77,93.56) ; v1(91.46,60.14) 91.49,60.11 91.49,59.16 88.21,55.88 88.21,51.84 88.88,51.17 90.46,51.17 92.33,49.3 92.53,49.1 v1(92.53,48.36) ; v1(119.15,89.13) 123.04,89.13 127.55,84.62 136.917,84.62 142.293,79.244 142.293,61.784 145.366,58.711 145.366,50.229 146.475,49.12 146.5,49.12 147.76,47.86 v1(147.76,43.16)
MCU3_PWR_EN: P16.1 R51.1 U1.122 U6.36 U12.33 | length 129.1
  Top Layer w0.254: U1.122@95.165,95.54 96.64,95.54 97.71,94.47 97.71,92.11 101.36,88.46 v1(101.36,87.36) ; U12.33@96.052,53.9 96.56,53.9 99.04,51.42 R51.1@101.65,51.42 101.65,52.11 101.96,52.42 v1(104.66,52.42) 105.27,53.03 105.27,58.3 104.203,59.367 103.151,59.367 102.794,59.01 101.4,59.01 99.98,60.43 99.98,65.14 v1(99.95,65.17) ; v1(119.81,60.31) 119.81,57.73 v1(123.75,53.79) ; v1(128.01,53.95) 128.19,53.95 133.778,48.362 133.778,46.618 135.275,45.121 135.275,38.888 135.837,38.326 138.244,38.326 139,37.57 U6.36@139,36.315
  Bottom Layer w0.254: v1(99.95,65.17) 99.95,81.22 101.271,82.541 101.271,87.271 v1(101.36,87.36) ; v1(104.66,52.42) 106.37,52.42 106.65,52.14 115.65,52.14 117.3,53.79 v1(123.75,53.79) 127.85,53.79 v1(128.01,53.95) ; v1(119.81,60.31) 119.81,62.29 118.954,63.146 118.954,65.983 121.004,68.033 121.004,68.524 P16.1@122.01,69.53
MCU3_PWR_FLT: R49.1 U1.123 U6.37 U12.30 | length 117.7
  Top Layer w0.254: R49.1@87.08,52.97 88.663,51.387 94.547,51.387 v1(94.72,51.56) 94.992,51.832 U12.30@94.992,52.59 ; U1.123@95.165,95.04 96.569,95.04 97.306,94.303 97.306,91.943 100.48,88.769 v1(100.48,86.76) ; v1(97.15,55.95) 99.23,58.03 v1(99.23,62.21) ; v1(128.94,54.25) 134.182,49.008 134.182,46.785 135.682,45.285 135.682,39.052 136.004,38.73 139.55,38.73 139.99,38.29 U6.37@140.975,38.29
  Bottom Layer w0.254: v1(94.72,51.56) 94.72,51.43 94.9,51.61 96.44,51.61 ; v1(97.15,55.95) 97.15,52.32 96.44,51.61 ; v1(99.23,62.21) 99.23,81.071 100.867,82.708 100.867,86.373 v1(100.48,86.76) ; v1(128.94,54.25) 128.629,54.561 123.331,54.561 123.321,54.551 121.839,54.551 121.829,54.561 117.5,54.561 115.483,52.544 106.817,52.544 106.364,52.997 99.207,52.997 97.82,51.61 96.44,51.61
MCU3_RESET_SYNC: R13.2 U1.87 U6.57 U10.56 | length 164.4
  Top Layer w0.254: U10.56@82.34,27.245 82.34,25.427 82.21,25.297 82.21,18.765 84.497,16.478 107.776,16.478 112.35,21.052 112.35,22.2 v1(112.64,22.49) ; v1(107.41,97) 107.41,97.84 ; 107.42,97.85 107.41,97.84 ; U1.87@107.64,104.015 107.64,99.03 107.41,98.8 107.41,97.84 ; v1(137.42,48.64) 137.804,48.64 138.227,48.217 140.882,48.217 140.965,48.3 U6.57@140.975,48.29 144.41,48.29 R13.2@145,48.88
  Bottom Layer w0.254: v1(107.41,97) 107.41,90.727 119.542,78.595 122.998,78.595 128.729,72.864 128.729,67.585 136.622,59.692 136.622,55.959 136.237,55.573 136.237,49.857 136.231,49.857 135.893,49.519 135.893,49.041 136.222,48.712 136.15,48.64 v1(137.42,48.64) 137.958,48.102 137.958,47.626 137.652,47.32 135.97,47.32 133.87,45.22 133.87,44.109 130.412,40.651 130.412,35.641 127.534,32.764 127.534,31.359 118.039,21.864 114.286,21.864 113.66,22.49 v1(112.64,22.49)
MCU3_SPI1_NSS: R29.1 U1.101 U6.100 U10.40 | length 163.8
  Top Layer w0.254: U10.40@74.34,27.245 74.34,26.326 76.96,23.706 v1(76.96,21.35) ; R29.1@102.47,107.76 102.47,107.53 100.64,105.7 U1.101@100.64,104.015 100.64,98.72 103.24,96.12 v1(103.41,96.12) ; v1(125.97,67.03) 125.758,66.818 125.758,60.215 125.5,59.957 U6.100@125.5,57.765 125.5,53.803 131.114,48.189 131.114,41.826 v1(133.89,39.05)
  Bottom Layer w0.254: v1(76.96,21.35) 76.96,21.191 79.519,18.632 119.378,18.632 133.84,33.094 v1@133.84,39.05 ; v1(103.41,96.12) 104.354,96.12 104.484,95.99 104.541,96.047 105.207,96.047 107.006,94.248 107.006,90.56 119.375,78.191 122.831,78.191 125.97,75.052 v1(125.97,67.03)
MCU3_SWCLK: P9.3 U10.109 | length 16.7
  Top Layer w0.254: U10.109@90.34,48.695 90.34,48.93 90.777,49.367 98.343,49.367 103.92,43.79 P9.3@103.92,43.41
MCU3_SWDIO: P9.2 U10.105 | length 13.8
  Top Layer w0.254: U10.105@92.315,45.22 94.07,45.22 95.779,43.511 95.779,43.489 97.768,41.5 103.29,41.5 P9.2@103.92,40.87 P9.2@104.3,40.87
NetC2_2: C2.2 U1.71 | length 4.8
  Top Layer w0.254: U1.71@116.615,101.54 120.62,101.54 C2.2@121.16,101
NetC3_2: C3.2 U1.106 | length 4.1
  Top Layer w0.254: U1.106@98.14,104.015 98.14,106.87 C3.2@99.03,107.76
NetC4_2: C4.2 P2.3 R3.1 | length 14.3
  Top Layer w0.254: R3.1@135.4,101.5 135.4,102.17 C4.2@138.51,105.28 139.86,106.63 139.86,107.779 138.923,108.716 136.614,108.716 135.72,109.61 P2.3@135.72,110.85
NetC5_2: C5.2 P2.2 R4.2 | length 13.8
  Top Layer w0.254: P2.2@136.37,110.85 136.37,109.531 136.781,109.12 139.09,109.12 C5.2@141.23,106.98 140.36,106.11 140.36,103.35 R4.2@138.51,101.5
NetC9_2: C9.2 U3.35 | length 3.2
  Top Layer w0.254: C9.2@77.4,105.7 77.7,105.7 79.26,104.14 U3.35@79.96,104.14
NetC10_1: C10.1 S1.1 U1.25 | length 24
  Top Layer w0.254: C10.1@98.37,70.72 98.37,73.44 S1.1@98.56,73.63 S1.1@98.56,77.78 101.04,75.3 105.68,75.3 106.12,75.74 106.12,78.866 109.14,81.886 U1.25@109.14,82.565
NetC22_1: C22.1 R26.1 R27.2 | length 11.3
  Top Layer w0.254: R27.2@62.83,91.9 67.72,91.9 R26.1@67.74,91.92 69.37,93.55 C22.1@73.43,93.55
NetC28_2: C28.2 U6.71 | length 4.2
  Top Layer w0.254: U6.71@140.975,55.29 144.33,55.29 C28.2@144.94,55.9
NetC29_2: C29.2 P5.3 R31.1 | length 9.2
  Top Layer w0.254: C29.2@137.57,95.51 138.47,96.41 141.73,96.41 R31.1@142.63,95.51 144.18,93.96 P5.3@145.37,93.96
NetC30_2: C30.2 P5.2 R32.2 | length 9.9
  Top Layer w0.254: C30.2@137.57,91.86 137.57,91.77 138.984,90.356 141.486,90.356 142.63,91.5 R32.2@142.63,91.86 144.08,93.31 P5.2@145.37,93.31
NetC31_2: C31.2 U6.106 | length 4.7
  Top Layer w0.254: U6.106@122.5,57.765 122.5,60.39 C31.2@123.98,61.87
NetC34_2: C34.2 U8.35 | length 4.7
  Top Layer w0.254: C34.2@103.35,60.41 106.1,60.41 107.02,61.33 U8.35@107.62,61.33
NetC35_1: C35.1 S2.1 U6.25 | length 32.6
  Top Layer w0.254: U6.25@133.5,36.315 133.5,31.383 136.753,28.13 138.29,28.13 143.39,33.23 143.39,35.96 144.07,36.64 146.19,36.64 146.64,36.19 C35.1@146.64,35.33 146.52,35.21 S2.1@146.52,32.53 S2.1@146.52,28.38
NetC52_2: C52.2 U10.71 | length 4
  Top Layer w0.254: C52.2@89.15,23.52 89.84,24.21 U10.71@89.84,27.245
NetC53_2: C53.2 P8.3 R46.1 | length 7.3
  Top Layer w0.254: P8.3@132.6,19.67 132.6,23.09 C53.2@133.53,24.02 133.53,26.48 R46.1@133.49,26.52
NetC54_2: C54.2 P8.2 R47.2 | length 8.5
  Top Layer w0.254: R47.2@129.67,26.52 C54.2@129.67,24.02 130.84,24.02 131.95,22.91 P8.2@131.95,19.67
NetC55_2: C55.2 U10.106 | length 6.5
  Top Layer w0.254: U10.106@92.315,45.72 94.99,45.72 C55.2@97.72,42.99
NetC58_2: C58.2 U12.35 | length 6.7
  Top Layer w0.254: U12.35@96.052,54.9 97.15,54.9 99.77,57.52 C58.2@101.65,57.52